# Allegro board reComputer J202_V1.0.brd (continued)
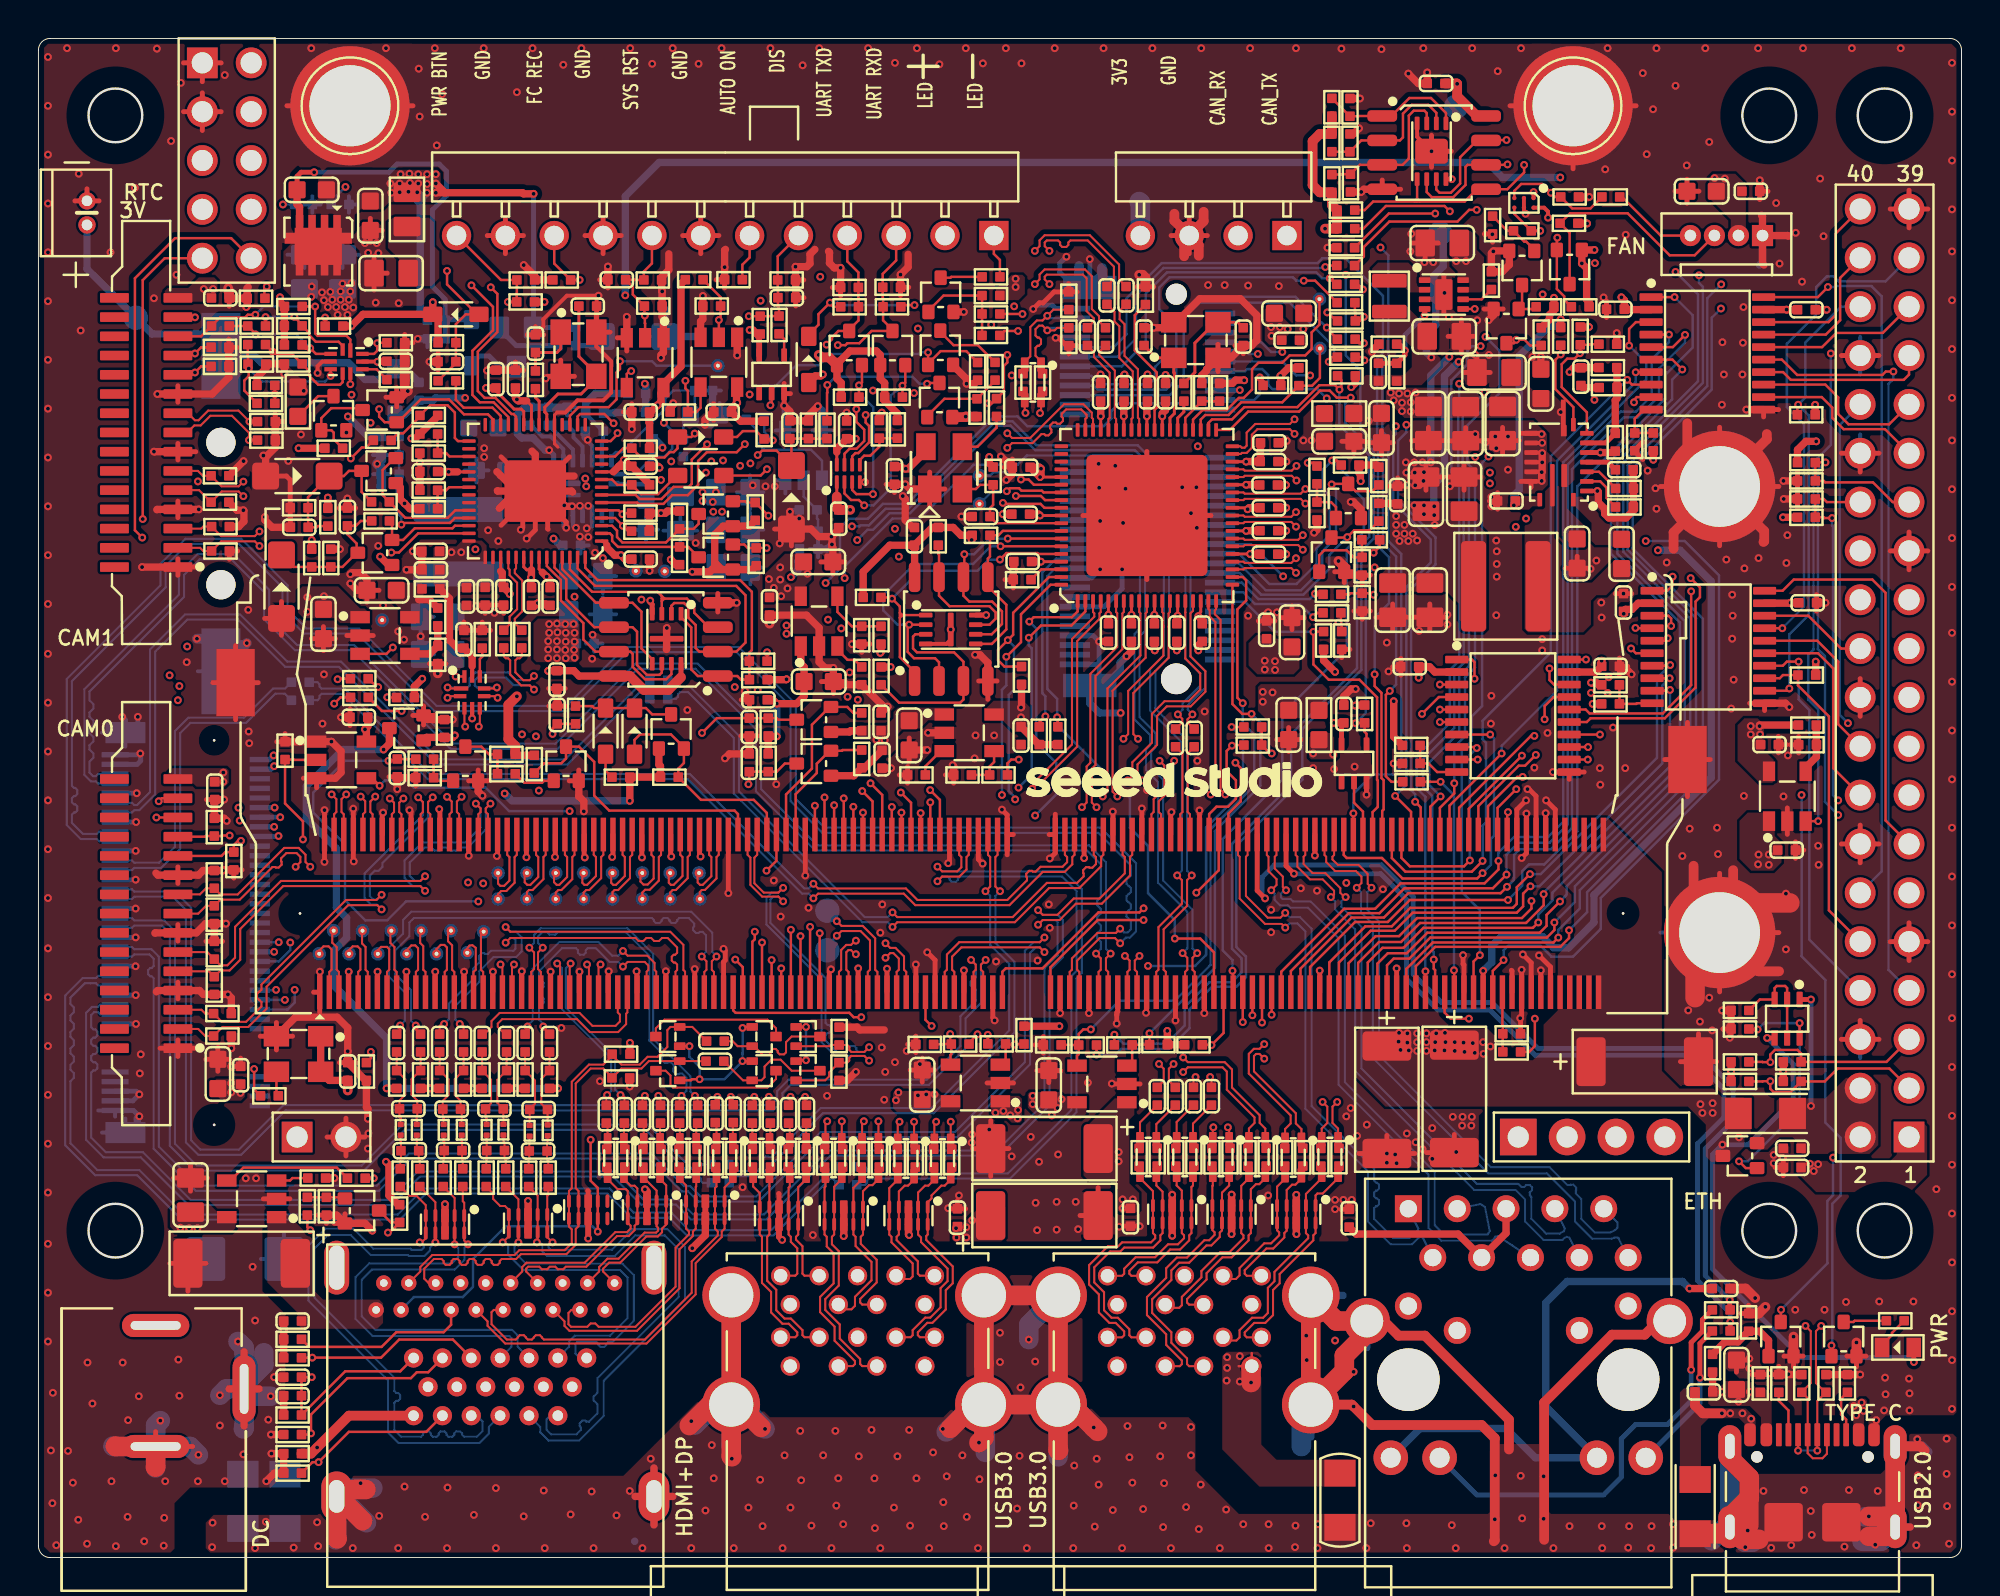
[diagram p0: board, top side]
## Placement (name value [footprint] x y rotation side) (continued)
NOREF  -  []  0 78.31 0 top
NOREF#2  -  []  0.75 0 90 top
NOREF#3  -  []  42.02 29.55 180 bottom
OSC1  32.768KHz  [X4-SMD-3_2X2_5X1_0MM]  13.52 26.19 180 top
Q1  MMST3904-7-F  [SOT-323-3]  90.6 11.36 0 top
Q2  2SK3018  [SOT-323-3]  93.87 11.36 0 top
Q3  MMST3904-7-F  [SOT-323-3]  16.83 18.04 270 top
Q4  CJ2101  [SOT323]  88.48 20.89 90 top
Q5  CJ1012  [SOT_523]  32.73 25.32 270 top
Q6  CJ1012  [SOT_523]  37.73 25.32 90 top
Q7  CJ1012  [SOT_523]  40.02 25.32 90 top
Q8  CJ1012  [SOT_523]  32.73 27.09 270 top
Q9  CJ1012  [SOT_523]  37.73 27.09 90 top
Q10  CJ1012  [SOT_523]  40.02 27.09 90 top
Q11  BC856S  [SOT363]  90.93 28.02 180 top
Q12  MMST3904-7-F  [SOT-323-3]  27.43 41.28 0 top
Q13  MMST3904-7-F  [SOT-323-3]  22.2 41.28 0 top
Q14  2SK3018  [SOT-323-3]  40.32 41.29 90 top
Q15  2SK3018  [SOT-323-3]  32.9 42.96 0 top
Q16  2SK3018  [SOT-323-3]  19.14 43.13 90 top
Q17  2SK3018  [SOT-323-3]  40.32 43.57 90 top
Q18  2SK3018  [SOT-323-3]  35.22 52.02 90 top
Q19  2SK3018  [SOT-323-3]  67.24 52.15 0 top
Q20  CJ3134KW  [SOT-323-3]  17.5 52.25 90 top
Q21  2SK3018  [SOT-323-3]  35.22 54.27 90 top
Q22  2SK3018  [SOT-323-3]  68.11 54.95 0 top
Q23  CJ3134KW  [SOT-323-3]  17.69 56.51 90 top
Q24  CJ3134KW  [SOT-323-3]  15.34 59.51 0 top
Q25  2SK3018  [SOT-323-3]  17.74 59.68 90 top
Q26  BSS84W-7-F  [SOT-323-3]  46.85 60.2 0 top
Q27  2SK3018  [SOT-323-3]  42.16 62.9 0 top
Q28  2SK3018  [SOT-323-3]  44.41 62.9 0 top
Q29  2SK3018  [SOT-323-3]  46.9 62.91 0 top
Q30  2SK3018  [SOT-323-3]  76.33 64.04 180 top
Q31  2SK3018  [SOT-323-3]  46.91 65.67 0 top
Q32  2SK3018  [SOT-323-3]  77.15 67.06 180 top
Q33  2SK3018  [SOT-323-3]  79.62 67.11 180 top
Q34  RQ3E120ATTB  [DFN08_SON08_0D66_3X3MM]  14.55 67.91 270 top
Q35  MMBT2907A  [SOT23]  24.86 62.95 0 bottom
R1  0R  [R1206]  86.15 2.65 270 top
R2  5.1K  [R0402]  90.5 9.05 90 top
R3  5.1K  [R0402]  94.07 9.05 90 top
R4  10K  [R0402]  87.05 10.11 90 top
R5  1M  [R0402]  13.22 11.35 180 top
R6  499R  [R0402]  87.5 11.78 180 top
R7  10K  [R0402]  88.92 12.23 90 top
R8  2.2K  [R0402]  96.55 12.31 180 top
R9  499R  [R0402]  87.5 12.88 180 top
R10  10K  [R0402]  18.78 17.89 270 top
R11  10K  [R0402]  13.98 18.27 270 top
R12  10K  [R0402]  14.97 18.27 270 top
R13  0R  [R0402]  16.53 19.73 180 top
R14  6.8K  [R0402]  14.47 19.73 0 top
R15  5.1R  [R0402]  18.81 19.75 270 top
R16  5.1R  [R0402]  19.83 19.75 270 top
R17  5.1R  [R0402]  21.05 19.75 270 top
R18  5.1R  [R0402]  22.06 19.75 270 top
R19  5.1R  [R0402]  23.28 19.75 270 top
R20  5.1R  [R0402]  24.3 19.75 270 top
R21  5.1R  [R0402]  25.49 19.75 270 top
R22  5.1R  [R0402]  26.51 19.75 270 top
R23  0R  [R0402]  29.55 20.77 270 top
R24  0R  [R0402]  31.43 20.77 270 top
R25  0R  [R0402]  33.31 20.77 270 top
R26  0R  [R0402]  35.22 20.77 270 top
R27  0R  [R0402]  40.88 20.77 270 top
R28  0R  [R0402]  42.78 20.77 270 top
R29  0R  [R0402]  44.66 20.77 270 top
R30  0R  [R0402]  45.6 20.77 270 top
R31  0R  [R0402]  37.13 20.77 270 top
R32  0R  [R0402]  38.07 20.77 270 top
R33  0R  [R0402]  46.55 20.77 270 top
R34  0R  [R0402]  47.49 20.77 270 top
R35  0R  [R0402]  30.49 20.77 270 top
R36  0R  [R0402]  32.37 20.77 270 top
R37  0R  [R0402]  34.25 20.77 270 top
R38  0R  [R0402]  36.15 20.77 270 top
R39  0R  [R0402]  41.82 20.77 270 top
R40  0R  [R0402]  43.72 20.77 270 top
R41  0R  [R0402]  39.93 20.78 270 top
R42  0R  [R0402]  38.99 20.78 270 top
R43  0R  [R0402]  57.24 20.82 270 top
R44  0R  [R0402]  59.14 20.82 270 top
R45  0R  [R0402]  61.02 20.82 270 top
R46  0R  [R0402]  62.9 20.82 270 top
R47  0R  [R0402]  64.81 20.82 270 top
R48  0R  [R0402]  66.69 20.82 270 top
R49  0R  [R0402]  58.18 20.82 270 top
R50  0R  [R0402]  60.08 20.82 270 top
R51  0R  [R0402]  61.96 20.82 270 top
R52  0R  [R0402]  63.84 20.82 270 top
R53  0R  [R0402]  65.75 20.82 270 top
R54  0R  [R0402]  67.63 20.82 270 top
R55  0R  [R1206]  89.8 23.09 0 top
R56  47K  [R0402]  88.48 24.76 0 top
R57  499R  [R0402]  18.63 24.86 90 top
R58  499R  [R0402]  19.87 24.86 90 top
R59  499R  [R0402]  20.86 24.86 90 top
R60  499R  [R0402]  22.11 24.86 90 top
R61  499R  [R0402]  23.07 24.86 90 top
R62  499R  [R0402]  24.34 24.86 90 top
R63  499R  [R0402]  25.31 24.86 90 top
R64  499R  [R0402]  26.58 24.86 90 top
R65  100K  [R0402]  30.28 24.94 0 top
R66  100K  [R0402]  41.63 25.27 90 top
R67  47K  [R0402]  88.48 25.78 0 top
R68  100K  [R0402]  30.29 26.18 180 top
R69  0R  [R0402]  54.56 26.65 180 top
R70  100K  [R0402]  52.72 26.66 180 top
R71  0R  [R0402]  56.41 26.66 180 top
R72  47K  [R0402]  60.06 26.66 0 top
R73  47K  [R0402]  58.24 26.67 180 top
R74  100K  [R0402]  46.09 26.69 180 top
R75  0R  [R0402]  47.93 26.7 180 top
R76  0R  [R0402]  49.83 26.71 180 top
R77  100K  [R0402]  41.63 27.12 270 top
R78  47K  [R0402]  51.25 27.17 270 top
R79  100K  [R0402]  88.48 27.49 180 top
R80  100K  [R0402]  88.48 28.45 180 top
R81  0R  [R0402]  71.4 40.34 0 top
R82  10K  [R0402]  20.09 40.55 180 top
R83  33K  [R0402]  30.29 40.58 180 top
R84  150K  [R0402]  32.81 40.58 0 top
R85  15K  [R0402]  45.66 40.7 180 top
R86  100K  [R0402]  48.05 40.7 180 top
R87  1K  [R0402]  49.92 40.7 180 top
R88  2.2K  [R0402]  24.33 40.76 180 top
R89  10K  [R0402]  25.78 41.26 270 top
R90  1M  [R0402]  71.38 41.3 0 top
R91  2.2K  [R0402]  37.95 41.33 270 top
R92  10K  [R0402]  20.09 41.52 180 top
R93  10K  [R0402]  42.81 41.53 90 top
R94  2.2K  [R0402]  24.33 41.77 180 top
R95  1M  [R0402]  12.82 41.96 90 top
R96  10K  [R0402]  71.38 42.23 0 top
R97  0R  [R0402]  63.15 42.25 0 top
R98  44.2K  [R0402]  91.99 42.27 180 top
R99  47K  [R0402]  52.04 42.74 90 top
R100  47K  [R0402]  53.01 42.74 90 top
R101  100K  [R0402]  21.11 43.11 90 top
R102  2.2K  [R0402]  37.95 43.19 90 top
R103  0R  [R0402]  63.15 43.19 0 top
R104  100K  [R0402]  91.98 43.29 0 top
R105  10K  [R0402]  42.81 43.46 90 top
R106  10K  [R0402]  68.96 43.87 270 top
R107  1M  [R0402]  81.75 44.39 0 top
R108  47K  [R0402]  19.08 44.72 180 top
R109  0R  [R0402]  16.69 44.73 180 top
R110  10K  [R0402]  81.75 45.38 0 top
R111  10K  [R0402]  37.43 45.65 180 top
R112  0R  [R0402]  16.68 45.7 180 top
R113  10K  [R0402]  43.82 45.85 270 top
R114  15K  [R0402]  42.81 45.85 270 top
R115  47K  [R0402]  51.12 45.87 90 top
R116  100K  [R0402]  91.96 45.89 180 top
R117  1K  [R0402]  37.43 46.61 0 top
R118  20K  [R0402]  20.76 46.95 270 top
R119  0R  [R0402]  23.08 47.76 90 top
R120  27R  [R0402]  24.19 47.77 90 top
R121  27R  [R0402]  25.13 47.77 90 top
R122  100K  [R0402]  42.81 47.97 270 top
R123  1K  [R0402]  43.81 47.97 90 top
R124  47K  [R0402]  66.83 47.69 90 top
R125  100K  [R0402]  20.76 48.91 270 top
R126  0R  [R0402]  67.26 49.13 180 top
R127  10K  [R0402]  43.35 49.93 0 top
R128  0R  [R0402]  67.26 50.09 180 top
R129  10K  [R0402]  51.15 50.85 180 top
R130  100K  [R0402]  14.21 51.98 270 top
R131  22K  [R0402]  15.2 51.98 90 top
R132  47K  [R0402]  37.32 52.04 90 top
R133  10K  [R0402]  33.34 52.1 90 top
R134  10K  [R0402]  46.79 53.11 270 top
R135  10K  [R0402]  49.02 53.16 0 top
R136  10K  [R0402]  31.3 53.37 180 top
R137  0R  [R0402]  17.79 53.91 180 top
R138  10K  [R0402]  33.34 53.96 270 top
R139  47K  [R0402]  91.93 54.1 0 top
R140  100K  [R0402]  15.05 54.11 270 top
R141  47K  [R0402]  37.27 54.4 90 top
R142  47K  [R0402]  69.7 54.36 270 top
R143  10K  [R0402]  20.3 54.54 180 top
R144  47K  [R0402]  13.55 54.59 180 top
R145  8.2K  [R0402]  82.47 54.63 0 top
R146  10K  [R0402]  31.3 54.31 180 top
R147  0R  [R0402]  17.79 54.9 180 top
R148  10K  [R0402]  20.3 55.5 180 top
R149  62K  [R0402]  82.48 55.6 0 top
R150  10K  [R0402]  31.32 55.78 180 top
R151  10K  [R0402]  49.64 56.25 270 top
R152  47K  [R0402]  69.7 56.24 270 top
R153  47K  [R0402]  68.2 56.81 180 top
R154  47K  [R0402]  91.93 56.94 0 top
R155  10K  [R0402]  20.3 57.44 180 top
R156  10K  [R0402]  31.32 57.69 180 top
R157  22K  [R0402]  81.99 58 270 top
R158  1M  [R0402]  83.01 58.02 90 top
R159  10K  [R0402]  83.97 58.02 90 top
R160  0R  [R0402]  17.88 58.1 180 top
R161  100K  [R0402]  15.36 57.69 0 top
R162  10K  [R0402]  20.3 58.43 180 top
R163  100K  [R0402]  37.73 58.63 270 top
R164  5.1K  [R0402]  40.04 58.65 90 top
R165  19.6K  [R0402]  41.01 58.65 270 top
R166  100K  [R0402]  43.73 58.67 90 top
R167  0R  [R0402]  44.66 58.67 270 top
R168  10K  [R0402]  20.3 59.39 180 top
R169  100K  [R0402]  91.93 59.43 180 top
R170  100K  [R0402]  33.31 59.57 180 top
R171  100K  [R0402]  48.8 59.8 270 top
R172  0R  [R0402]  49.82 59.81 270 top
R173  0R  [R0402]  11.83 60.02 0 top
R174  2.2R  [R0603]  13.49 60.11 270 top
R175  10K  [R0402]  42.21 60.35 0 top
R176  10K  [R0402]  44.47 60.35 0 top
R177  0R  [R0402]  59.56 60.6 90 top
R178  100K  [R0402]  60.49 60.6 270 top
R179  10K  [R0402]  61.42 60.6 270 top
R180  1K  [R0402]  81.62 60.84 180 top
R181  47K  [R0402]  11.83 60.95 0 top
R182  47K  [R0402]  64.14 60.95 180 top
R183  0R  [R0402]  51.2 61.1 270 top
R184  0R  [R0402]  52.21 61.1 270 top
R185  0R  [R0402]  25.84 61.24 270 top
R186  0R  [R0402]  18.58 61.26 0 top
R187  47K  [R0402]  65.54 61.4 270 top
R188  47K  [R0402]  68.01 61.45 180 top
R189  1M  [R0402]  48.83 61.69 270 top
R190  100K  [R0402]  49.74 61.69 90 top
R191  100K  [R0402]  81.61 61.88 180 top
R192  2.2K  [R0402]  11.36 62.06 180 top
R193  47K  [R0402]  13.25 62.07 0 top
R194  75K  [R0402]  70.63 61.65 90 top
R195  0R  [R0402]  68 62.43 0 top
R196  2.2K  [R0402]  13.25 63.06 0 top
R197  0R  [R0402]  11.35 63.08 0 top
R198  1M  [R0402]  81.61 63.1 0 top
R199  100K  [R0402]  70.17 63.1 180 top
R200  10K  [R0402]  18.58 63.18 0 top
R201  10K  [R0402]  21.24 63.18 0 top
R202  0R  [R0402]  68 63.36 0 top
R203  10K  [R0402]  78.14 63.49 270 top
R204  10K  [R0402]  79.16 63.51 270 top
R205  10K  [R0402]  80.17 63.53 270 top
R206  0R  [R0402]  49.53 63.55 180 top
R207  10K  [R0402]  15.37 64.04 180 top
R208  0R  [R0402]  9.46 64.05 180 top
R209  0R  [R0402]  11.35 64.05 0 top
R210  47K  [R0402]  13.25 64.05 0 top
R211  100K  [R0402]  37.53 64.09 90 top
R212  100R  [R0402]  38.51 64.1 270 top
R213  0R  [R0402]  68.01 64.31 0 top
R214  0R  [R0402]  49.53 64.67 180 top
R215  10K  [R0402]  42.18 65.04 0 top
R216  10K  [R0402]  44.38 65.04 180 top
R217  10K  [R0402]  78.34 65.04 180 top
R218  10K  [R0402]  80.17 65.04 180 top
R219  0R  [R0402]  75.55 66.4 90 top
R220  47K  [R0402]  13.25 65.06 0 top
R221  100K  [R0402]  31.97 65.08 0 top
R222  100K  [R0402]  35.01 65.08 180 top
R223  0R  [R0402]  67.99 65.26 0 top
R224  10K  [R0402]  25.33 65.3 180 top
R225  12.4K  [R0402]  57.56 65.63 90 top
R226  10K  [R0402]  49.53 65.63 180 top
R227  0R  [R0402]  67.98 66.21 0 top
R228  10K  [R0402]  34.1 66.46 0 top
R229  10K  [R0402]  36.14 66.46 180 top
R230  499R  [R0402]  49.53 66.6 180 top
R231  0R  [R0402]  67.98 67.19 0 top
R232  10K  [R0402]  67.98 68.12 180 top
R233  100K  [R0402]  75.62 69.3 270 top
R234  47K  [R0402]  67.99 69.11 0 top
R235  10K  [R0402]  79.59 69.39 180 top
R236  47K  [R0402]  67.99 70.07 0 top
R237  1R  [R0805]  19.16 70.11 270 top
R238  4.7K  [R0402]  79.62 70.76 0 top
R239  10K  [R0402]  67.26 71.46 90 top
R240  10K  [R0402]  68.22 71.48 270 top
R241  10K  [R0402]  67.26 73.57 270 top
R242  10K  [R0402]  68.2 73.57 90 top
R243  10K  [R0402]  68.2 75.42 90 top
R244  10K  [R0402]  67.26 75.42 90 top
R245  0R  [R1206]  10.63 2.92 270 bottom
R246  61.9K  [R0402]  40.54 52.91 270 bottom
R247  147K  [R0402]  39.57 52.92 90 bottom
R248  10K  [R0402]  31.97 57.71 270 bottom
R249  10K  [R0402]  33.54 57.72 90 bottom
R250  13.3K  [R0402]  28.9 58.57 180 bottom
R251  8.2K  [R0402]  25.56 59.36 90 bottom
R252  62K  [R0402]  26.52 59.36 90 bottom
R253  1K  [R0402]  28.92 59.52 0 bottom
R254  0R  [R0402]  19.79 60.65 90 bottom
R255  100K  [R0402]  31.11 60.54 0 bottom
R256  1M  [R0402]  34.59 60.69 0 bottom
R257  10K  [R0402]  27.47 63.02 180 bottom
R258  47K  [R0402]  20.69 63.38 180 bottom
R259  2.2K  [R0402]  27.47 63.99 0 bottom
R260  100K  [R0402]  20.69 64.35 0 bottom
R261  1M  [R0402]  17.05 25.28 270 top
R262  100K  [R0402]  18.29 58.3 0 bottom
R263  100K  [R0402]  18.29 57.33 180 bottom
R264  1K  [R0402]  66.48 56.3 270 top
R265  100K  [R0402]  66.48 54.42 270 top
R266  1K  [R0402]  69.28 52.93 180 top
R267  100K  [R0402]  68.83 51.55 270 top
R268  0R  [R0402]  12.01 24.01 180 top
R269  0R  [R0402]  37.27 59.19 0 bottom
R270  100R  [R0402]  81.76 70.76 0 top
R271  1K  [R0402]  77.16 69 180 top
TP1  Test Point  [TP28C8D]  14.6 31.4 180 top
TP2  Test Point  [TP28C8D]  16.15 31.4 180 top
TP3  Test Point  [TP28C8D]  17.65 31.4 0 top
TP4  Test Point  [TP28C8D]  19.15 31.4 0 top
TP5  Test Point  [TP28C8D]  20.7 31.4 0 top
TP6  Test Point  [TP28C8D]  22.3 31.45 0 top
TP7  Test Point  [TP28C8D]  23.15 32.55 0 top
TP8  Test Point  [TP28C8D]  15.35 32.6 0 top
TP9  Test Point  [TP28C8D]  16.85 32.6 180 top
TP10  Test Point  [TP28C8D]  18.35 32.6 0 top
TP11  Test Point  [TP28C8D]  19.9 32.6 0 top
TP12  Test Point  [TP28C8D]  21.45 32.6 0 top
TP13  Test Point  [TP28C8D]  23.9 34.25 0 top
TP14  Test Point  [TP28C8D]  25.4 34.25 180 top
TP15  Test Point  [TP28C8D]  26.9 34.25 0 top
TP16  Test Point  [TP28C8D]  28.35 34.25 0 top
TP17  Test Point  [TP28C8D]  29.85 34.25 0 top
TP18  Test Point  [TP28C8D]  31.4 34.25 0 top
TP19  Test Point  [TP28C8D]  32.85 34.25 0 top
TP20  Test Point  [TP28C8D]  34.4 34.25 0 top
TP21  Test Point  [TP28C8D]  23.9 35.6 0 top
TP22  Test Point  [TP28C8D]  25.4 35.6 180 top
TP23  Test Point  [TP28C8D]  26.9 35.6 0 top
TP24  Test Point  [TP28C8D]  28.35 35.6 0 top
TP25  Test Point  [TP28C8D]  29.85 35.6 0 top
TP26  Test Point  [TP28C8D]  31.4 35.6 0 top
TP27  Test Point  [TP28C8D]  32.85 35.6 0 top
TP28  Test Point  [TP28C8D]  34.35 35.6 0 top
TP29  Test Point  [TP28C8D]  17.87 48.75 0 top
TP30  Test Point  [TP60C_SMD]  73.72 75.46 180 bottom
TP31  Test Point  [TP28C8D]  32.57 51.29 0 top
TP32  Test Point  [TP28C8D]  31.07 51.31 0 top
TP33  Test Point  [TP28C8D]  48.93 54.79 90 top
TP34  Test Point  [TP28C8D]  48.93 56.26 90 top
TP37  Test Point  [TP28C8D]  35.33 61.98 0 top
TP38  Test Point  [TP28C8D]  66.63 62.88 0 top
TP39  Test Point  [TP28C8D]  66.61 65.44 180 top
TP40  Test Point  [TP60C_SMD]  5.07 64.47 180 bottom
TP41  Test Point  [TP60C_SMD]  41.02 33.64 270 bottom
TP42  Test Point  [TP60C_SMD]  72.88 68.88 180 bottom
TP43  Test Point  [TP60C_SMD]  41.02 31.58 270 bottom
U1  TPD4E02B04DQAR  [USON10_0D5_2D5X1X0D5MM]  21.14 17.33 180 top
U2  TPD4E02B04DQAR  [USON10_0D5_2D5X1X0D5MM]  25.46 17.38 180 top
U3  TPD4E02B04DQAR  [USON10_0D5_2D5X1X0D5MM]  38.51 17.78 180 top
U4  TPD4E02B04DQAR  [USON10_0D5_2D5X1X0D5MM]  41.88 17.78 180 top
U5  TPD4E02B04DQAR  [USON10_0D5_2D5X1X0D5MM]  45.24 17.78 180 top
U6  TPD4E02B04DQAR  [USON10_0D5_2D5X1X0D5MM]  58.95 17.85 180 top
U7  TPD4E02B04DQAR  [USON10_0D5_2D5X1X0D5MM]  62.04 17.85 180 top
U8  TPD4E02B04DQAR  [USON10_0D5_2D5X1X0D5MM]  65.41 17.85 180 top
U9  TPD4E02B04DQAR  [USON10_0D5_2D5X1X0D5MM]  28.59 18.08 180 top
U10  TPD4E02B04DQAR  [USON10_0D5_2D5X1X0D5MM]  31.64 18.08 180 top
U11  TPD4E02B04DQAR  [USON10_0D5_2D5X1X0D5MM]  34.68 18.08 180 top
U12  SY6280AAC  [SOT23-5]  11.09 18.66 90 top
U13  SGM2588CYN5G/TR  [SOT23-5]  55.3 24.63 90 top
U14  SGM2588CYN5G/TR  [SOT23-5]  48.72 24.68 90 top
U15  LC1458CB5TR18  [SOT23-5]  90.94 39.59 0 top
U16  74LVC1G07GW  [SOT353]  68.41 41.3 0 top
U17  SN74LV1T125DBVR  [SOT23-5]  15.76 41.48 270 top
U18  SY6280AAC  [SOT23-5]  48.4 42.89 270 top
U19  TXB0108PWR  [TSSOP20-0_65-6_5X4_4X1MM]  76.67 43.77 270 top
U20  SGM7222YWQ10/TR  [WQFN10_0D4_1_8X1_4X0_75MM]  22.55 44.99 270 top
U21  TXB0108PWR  [TSSOP20-0_65-6_5X4_4X1MM]  86.83 47.35 270 top
U22  GD25Q40ETIGR  [SOIC8_1D27_4_9X3_9MM]  32.63 47.75 90 top
U23  GD25Q40EEIGR  [USON8_0D5_3X2X0_6MM]  32.66 47.78 180 top
U24  LC1458CB5TR33  [SOT23-5]  18.02 47.95 270 top
U25  GD25Q40EEIGR  [USON8_0D5_3X2X0_6MM]  47.44 48.26 270 top
U26  GD25Q40ETIGR(VL822-Q7_Firmware)  [SOIC8_1D27_4_9X3_9MM]  47.46 48.29 0 top
U27  SY6280AAC  [SOT23-5]  40.59 48.7 0 top
U28  VL822-Q7  [QFN76L_0D4_9X9X0_9MM]  57.64 54.19 90 top
U29  RP2040  [QFN56_0D4_7X7X0_9MM]  25.84 55.46 180 top
U30  TXB0302DQMR  [X2SON8_0D4_1_8X1_2X0_4MM]  42.11 56.38 0 top
U31  UM805RE  [SOT_143]  47.1 56.67 0 top
U32  SQ29020VDC  [QFN19_0D5_3X4X0_65MM]  79.07 56.97 180 top
U33  74LVC1G07GW  [SOT353]  38.13 61.53 0 top
U34  SN74LV1T125DBVR  [SOT23-5]  31.55 62.14 180 top
U35  SN74LV1T125DBVR  [SOT23-5]  35.38 62.16 180 top
U36  SGM7222YWQ10/TR  [WQFN10_0D4_1_8X1_4X0_75MM]  16.02 62.2 180 top
U37  TXB0108PWR  [TSSOP20-0_65-6_5X4_4X1MM]  86.78 62.62 270 top
U38  ETA3410D2I-T  [DFN8G_0D5_2X2MM_3410]  73.08 65.68 0 top
U39  SN74LVC1T45YZPR  [BGA6C50P2X3_89X139X50]  77.25 70.45 270 top
U40  AT24C02C-SSHM-T  [SOIC8_1D27_4_9X3_9MM]  72.58 73.06 270 top
U41  CAT24C02VP2IGT3A  [UDFN8_0D5_2X3X0_6MM]  72.44 73.13 180 top
U42  SQ29020VDC  [QFN19_0D5_3X4X0_65MM]  28.29 55.59 270 bottom
U43  NCP301LSN20T1G  [SOT23-5]  39.79 57.32 180 bottom
X1  12MHz CL=10pF  [X4-SMD-3_2X2_5X1_0MM]  28.08 62.58 270 top
X2  25MHz CL=12pF  [X4-SMD-3_2X2_5X1_0MM]  60.19 63.31 0 top

## Library data of the parts
C1-C7 C9-C11 C13-C18 C20-C36 C39-C47 C49-C200 = CC
C8 C12 C19 C37 C38 C48 = CT
D1-D19 D22 D24-D28 D30 D31 D35-D37 D39 D40 D42-D50 D54 D55 = DIODE TVS BI-DIR
D20 D21 D32 D34 D38 D41 D51 D52 = D_Schottky
D23 D29 D33 D53 = DIODE TVS
FB1-FB5 = FB
J1 = USB2.0_Type C_16+6P#1
J2 = Power Jack: Tolerance: X; User Part Number: X
J3 J4 = USB3.0_Dual Type A_18+4P
J5 = DP_HDMI_CONN
J6 = RJ45_POE_LPJG0926HENL
J7 J14 = Header 1x2
J8 J13 J16 = Header 1x4
J9 J12 = FPC2x15 For DSI
J10 = Header 2X20 Of RPI
J11 = CON_SODIMM260_JETSON_NANO
J15 = Header 1x12
J17 = Header 2x5
J18 = PCIe_M.2_Key M_75Pin
J19 = BAT Holder 2P
J20 = PCIe_M.2_Key E_75Pin
L1-L16 L27 = CL
L17-L26 L28 L29 = L
LED1 = Single LED
MH1-MH4 = MHole
OSC1 = OSC_4P
Q1 Q3 Q12 Q13 = NPN
Q2 Q5-Q10 Q14-Q25 Q27-Q33 = NMOS_123
Q4 Q26 = PMOS_123
Q11 = PNP_6P
Q34 = PMOS_5P
Q35 = PNP
R1-R271 = R
TP1-TP34 TP37-TP43 = Test Point
U1-U11 = TPD4E05U06DQAR
U12 U18 U27 = SY6280
U13 U14 = TPS2051BDBV
U15 U24 = LDO_5P_FB_EN
U16 U17 U33-U35 = SN74LVC1G07DCK
U19 U21 U37 = TXS0108EPWR
U20 U36 = SGM7222
U22 U26 = QSPI_8P
U23 U25 = QSPI_9P
U28 = VL822-Q7
U29 = RP2040
U30 = TXB0302
U31 = UM805_4P
U32 U42 = SQ29020
U38 = ETA3410
U39 = SN74LVC1T45YZPR
U40 = CAT24C256
U41 = EEPROM_8+1P
U43 = NCP301LSN20T1
X1 X2 = XTAL_4P

## Footprints (pads in the part's own frame, mm; a bottom-side part is the same pattern mirrored in y, then rotated)
AVX_C
  rrect 1.524x2.54 smd: 1(-2.794,0) 2(2.794,0)
BAT-CR1220
  round 1.524 hole 1.524 unplated: (0,-3.7) (0,3.7)
  rect 2.032x4.47 smd: 1(0,8.2) 2(0,-8.2)
BGA6C50P2X3_89X139X50
  round 0.226 smd: A1(-0.25,0.5) A2(0.25,0.5) B1(-0.25,0) B2(0.25,0) C1(-0.25,-0.5) C2(0.25,-0.5)
C0402
  rrect 0.5x0.5 smd: 1(-0.463,0) 2(0.463,0)
C0603
  rrect 0.889x0.889 smd: 1(-0.762,0) 2(0.762,0)
C0805
  rrect 1.016x1.397 smd: 1(-0.889,0) 2(0.889,0)
C1206
  rect 1.397x1.626 smd: 1(-1.41,0) 2(1.41,0)
CON_MINIPEX_067_SMT_RA_M2_KEYE_C
  round 1.1 hole 1.1 unplated: (-10,-1.636)
  round 1.6 hole 1.6 unplated: (10,-1.636)
  rect 0.305x1.575 smd: 1(-9.25,3.639) 2(-9,-3.911) 3(-8.75,3.639) 4(-8.5,-3.911) 5(-8.25,3.639) 6(-8,-3.911) 7(-7.75,3.639) 8(-7.5,-3.911) 9(-7.25,3.639) 10(-7,-3.911) 11(-6.75,3.639) 12(-6.5,-3.911) 13(-6.25,3.639) 14(-6,-3.911) 15(-5.75,3.639) 16(-5.5,-3.911) 17(-5.25,3.639) 18(-5,-3.911) 19(-4.75,3.639) 20(-4.5,-3.911) 21(-4.25,3.639) 22(-4,-3.911) 23(-3.75,3.639) 32(-1.5,-3.911) 33(-1.25,3.639) 34(-1,-3.911) 35(-0.75,3.639) 36(-0.5,-3.911) 37(-0.25,3.639) 38(0,-3.911) 39(0.25,3.639) 40(0.5,-3.911) 41(0.75,3.639) 42(1,-3.911) 43(1.25,3.639) 44(1.5,-3.911) 45(1.75,3.639) 46(2,-3.911) 47(2.25,3.639) 48(2.5,-3.911) 49(2.75,3.639) 50(3,-3.911) 51(3.25,3.639) 52(3.5,-3.911) 53(3.75,3.639) 54(4,-3.911) 55(4.25,3.639) 56(4.5,-3.911) 57(4.75,3.639) 58(5,-3.911) 59(5.25,3.639) 60(5.5,-3.911) 61(5.75,3.639) 62(6,-3.911) 63(6.25,3.639) 64(6.5,-3.911) 65(6.75,3.639) 66(7,-3.911) 67(7.25,3.639) 68(7.5,-3.911) 69(7.75,3.639) 70(8,-3.911) 71(8.25,3.639) 72(8.5,-3.911) 73(8.75,3.639) 74(9,-3.911) 75(9.25,3.639)
  rect 1.219x2.769 smd: 76(-10.35,2.864) 77(10.35,2.864)
CON_MINIPEX_075_SMT_RA_M2_KEYM
  round 0.13 hole 1.1 unplated: (-10,-1.335)
  round 0.13 hole 1.6 unplated: (10,-1.335)
  rect 0.28x1.4 smd: 1(-9.25,3.815) 3(-8.75,3.815) 5(-8.25,3.815) 7(-7.75,3.815) 9(-7.25,3.815) 11(-6.75,3.815) 13(-6.25,3.815) 15(-5.75,3.815) 17(-5.25,3.815) 19(-4.75,3.815) 21(-4.25,3.815) 23(-3.75,3.815) 25(-3.25,3.815) 27(-2.75,3.815) 29(-2.25,3.815) 31(-1.75,3.815) 33(-1.25,3.815) 35(-0.75,3.815) 37(-0.25,3.815) 39(0.25,3.815) 41(0.75,3.815) 43(1.25,3.815) 45(1.75,3.815) 47(2.25,3.815) 49(2.75,3.815) 51(3.25,3.815) 53(3.75,3.815) 55(4.25,3.815) 57(4.75,3.815) 67(7.25,3.815) 69(7.75,3.815) 71(8.25,3.815) 73(8.75,3.815) 75(9.25,3.815)
  rect 0.28x1.05 smd: 2(-9,-3.71) 4(-8.5,-3.71) 6(-8,-3.71) 8(-7.5,-3.71) 10(-7,-3.71) 12(-6.5,-3.71) 14(-6,-3.71) 16(-5.5,-3.71) 18(-5,-3.71) 20(-4.5,-3.71) 22(-4,-3.71) 24(-3.5,-3.71) 26(-3,-3.71) 28(-2.5,-3.71) 30(-2,-3.71) 32(-1.5,-3.71) 34(-1,-3.71) 36(-0.5,-3.71) 38(0,-3.71) 40(0.5,-3.71) 42(1,-3.71) 44(1.5,-3.71) 46(2,-3.71) 48(2.5,-3.71) 50(3,-3.71) 52(3.5,-3.71) 54(4,-3.71) 56(4.5,-3.71) 58(5,-3.71) 68(7.5,-3.71) 70(8,-3.71) 72(8.5,-3.71) 74(9,-3.71)
  rect 1.1x2.08 smd: 76(-10.4,3.28) 77(10.4,3.28)
CON_SODIMM_260_SMT_0D5_SD_80888_600_C
  round 0.13 hole 1.1 unplated: (-34.4,0.1)
  round 0.13 hole 1.6 unplated: (34.4,0.1)
  rect 0.28x1.75 smd: 1(33.375,4.2) 2(33.125,-4) 3(32.875,4.2) 4(32.625,-4) 5(32.375,4.2) 6(32.125,-4) 7(31.875,4.2) 8(31.625,-4) 9(31.375,4.2) 10(31.125,-4) 11(30.875,4.2) 12(30.625,-4) 13(30.375,4.2) 14(30.125,-4) 15(29.875,4.2) 16(29.625,-4) 17(29.375,4.2) 18(29.125,-4) 19(28.875,4.2) 20(28.625,-4) 21(28.375,4.2) 22(28.125,-4) 23(27.875,4.2) 24(27.625,-4) 25(27.375,4.2) 26(27.125,-4) 27(26.875,4.2) 28(26.625,-4) 29(26.375,4.2) 30(26.125,-4) 31(25.875,4.2) 32(25.625,-4) 33(25.375,4.2) 34(25.125,-4) 35(24.875,4.2) 36(24.625,-4) 37(24.375,4.2) 38(24.125,-4) 39(23.875,4.2) 40(23.625,-4) 41(23.375,4.2) 42(23.125,-4) 43(22.875,4.2) 44(22.625,-4) 45(22.375,4.2) 46(22.125,-4) 47(21.875,4.2) 48(21.625,-4) 49(21.375,4.2) 50(21.125,-4) 51(20.875,4.2) 52(20.625,-4) 53(20.375,4.2) 54(20.125,-4) 55(19.875,4.2) 56(19.625,-4) 57(19.375,4.2) 58(19.125,-4) 59(18.875,4.2) 60(18.625,-4) 61(18.375,4.2) 62(18.125,-4) 63(17.875,4.2) 64(17.625,-4) 65(17.375,4.2) 66(17.125,-4) 67(16.875,4.2) 68(16.625,-4) 69(16.375,4.2) 70(16.125,-4) 71(15.875,4.2) 72(15.625,-4) 73(15.375,4.2) 74(15.125,-4) 75(14.875,4.2) 76(14.625,-4) 77(14.375,4.2) 78(14.125,-4) 79(13.875,4.2) 80(13.625,-4) 81(13.375,4.2) 82(13.125,-4) 83(12.875,4.2) 84(12.625,-4) 85(12.375,4.2) 86(12.125,-4) 87(11.875,4.2) 88(11.625,-4) 89(11.375,4.2) 90(11.125,-4) 91(10.875,4.2) 92(10.625,-4) 93(10.375,4.2) 94(10.125,-4) 95(9.875,4.2) 96(9.625,-4) 97(9.375,4.2) 98(9.125,-4) 99(8.875,4.2) 100(8.625,-4) 101(8.375,4.2) 102(8.125,-4) 103(7.875,4.2) 104(7.625,-4) 105(7.375,4.2) 106(7.125,-4) 107(6.875,4.2) 108(6.625,-4) 109(6.375,4.2) 110(6.125,-4) 111(5.875,4.2) 112(5.625,-4) 113(5.375,4.2) 114(5.125,-4) 115(4.875,4.2) 116(4.625,-4) 117(4.375,4.2) 118(4.125,-4) 119(3.875,4.2) 120(3.625,-4) 121(3.375,4.2) 122(3.125,-4) 123(2.875,4.2) 124(2.625,-4) 125(2.375,4.2) 126(2.125,-4) 127(1.875,4.2) 128(1.625,-4) 129(1.375,4.2) 130(1.125,-4) 131(0.875,4.2) 132(0.625,-4) 133(0.375,4.2) 134(0.125,-4) 135(-0.125,4.2) 136(-0.375,-4) 137(-0.625,4.2) 138(-0.875,-4) 139(-1.125,4.2) 140(-1.375,-4) 141(-1.625,4.2) 142(-1.875,-4) 143(-2.125,4.2) 144(-2.375,-4) 145(-4.625,4.2) 146(-4.875,-4) 147(-5.125,4.2) 148(-5.375,-4) 149(-5.625,4.2) 150(-5.875,-4) 151(-6.125,4.2) 152(-6.375,-4) 153(-6.625,4.2) 154(-6.875,-4) 155(-7.125,4.2) 156(-7.375,-4) 157(-7.625,4.2) 158(-7.875,-4) 159(-8.125,4.2) 160(-8.375,-4) 161(-8.625,4.2) 162(-8.875,-4) 163(-9.125,4.2) 164(-9.375,-4) 165(-9.625,4.2) 166(-9.875,-4) 167(-10.125,4.2) 168(-10.375,-4) 169(-10.625,4.2) 170(-10.875,-4) 171(-11.125,4.2) 172(-11.375,-4) 173(-11.625,4.2) 174(-11.875,-4) 175(-12.125,4.2) 176(-12.375,-4) 177(-12.625,4.2) 178(-12.875,-4) 179(-13.125,4.2) 180(-13.375,-4) 181(-13.625,4.2) 182(-13.875,-4) 183(-14.125,4.2) 184(-14.375,-4) 185(-14.625,4.2) 186(-14.875,-4) 187(-15.125,4.2) 188(-15.375,-4) 189(-15.625,4.2) 190(-15.875,-4) 191(-16.125,4.2) 192(-16.375,-4) 193(-16.625,4.2) 194(-16.875,-4) 195(-17.125,4.2) 196(-17.375,-4) 197(-17.625,4.2) 198(-17.875,-4) 199(-18.125,4.2) 200(-18.375,-4) 201(-18.625,4.2) 202(-18.875,-4) 203(-19.125,4.2) 204(-19.375,-4) 205(-19.625,4.2) 206(-19.875,-4) 207(-20.125,4.2) 208(-20.375,-4) 209(-20.625,4.2) 210(-20.875,-4) 211(-21.125,4.2) 212(-21.375,-4) 213(-21.625,4.2) 214(-21.875,-4) 215(-22.125,4.2) 216(-22.375,-4) 217(-22.625,4.2) 218(-22.875,-4) 219(-23.125,4.2) 220(-23.375,-4) 221(-23.625,4.2) 222(-23.875,-4) 223(-24.125,4.2) 224(-24.375,-4) 225(-24.625,4.2) 226(-24.875,-4) 227(-25.125,4.2) 228(-25.375,-4) 229(-25.625,4.2) 230(-25.875,-4) 231(-26.125,4.2) 232(-26.375,-4) 233(-26.625,4.2) 234(-26.875,-4) 235(-27.125,4.2) 236(-27.375,-4) 237(-27.625,4.2) 238(-27.875,-4) 239(-28.125,4.2) 240(-28.375,-4) 241(-28.625,4.2) 242(-28.875,-4) 243(-29.125,4.2) 244(-29.375,-4) 245(-29.625,4.2) 246(-29.875,-4) 247(-30.125,4.2) 248(-30.375,-4) 249(-30.625,4.2) 250(-30.875,-4) 251(-31.125,4.2) 252(-31.375,-4) 253(-31.625,4.2) 254(-31.875,-4) 255(-32.125,4.2) 256(-32.375,-4) 257(-32.625,4.2) 258(-32.875,-4) 259(-33.125,4.2) 260(-33.375,-4)
  rect 2x3.5 smd: 261(-37.75,-7.9) 262(37.75,-11.9)
CONN3-PWR-DC630
  oval 1.2x3.5 hole 0.45x2.6: 1(0,0.1) 2(6.294,0.1)
  oval 3.5x1.2 hole 2.6x0.45: 3(3.297,4.699)
D0402
  rrect 0.5x0.5 smd: 1(-0.463,0) 2(0.463,0)
DFN08_SON08_0D66_3X3MM
  rect 1.1x0.39 smd: 1(-1.354,0.975) 2(-1.354,0.325) 3(-1.354,-0.325) 4(-1.354,-0.975)
  custom 2.479x3.5 smd: 5(0,0)
DFN8G_0D5_2X2MM_3410
  rrect 0.6x0.3 smd: 1(-1,0.75) 2(-1,0.25) 3(-1,-0.25) 4(-1,-0.75) 5(1,-0.75) 6(1,-0.25) 7(1,0.25) 8(1,0.75)
  rrect 0.9x1.6 smd: 9(0,0)
DO_214AA_SMB
  rrect 2.032x2.286 smd: 1(-2.032,0) 2(2.032,0)
HDMI_DP_39P_18D05X18D1X19D3MM
  round 1 hole 0.55: A1(4.75,8.3) A2(4,6.8) A3(3.25,8.3) A4(3.25,5.3) A5(2.5,6.8) A6(1.75,5.3) A7(1.75,8.3) A8(1,6.8) A9(0.25,8.3) A10(0.25,5.3) A11(-0.5,6.8) A12(-1.25,5.3) A13(-1.25,8.3) A14(-2,6.8) A15(-2.75,8.3) A16(-2.75,5.3) A17(-3.5,6.8) A18(-4.25,5.3) A19(-4.25,8.3)
  round 0.8 hole 0.4: B1(6.2,12.2) B2(5.7,10.8) B3(4.8,12.2) B4(4.4,10.8) B5(3.5,12.2) B6(3,10.8) B7(2.2,12.2) B8(1.7,10.8) B9(0.8,12.2) B10(0.4,10.8) B11(-0.5,12.2) B12(-1,10.8) B13(-1.8,12.2) B14(-2.3,10.8) B15(-3.1,12.2) B16(-3.6,10.8) B17(-4.5,12.2) B18(-4.9,10.8) B19(-5.8,12.2) B20(-6.2,10.8)
  oval 1.3x2.8 hole 0.8x2.3: S1(8.25,13) S2(-8.25,13)
  oval 1.6x2.6 hole 0.8x1.7: S3(8.25,1.1) S4(-8.25,1.1)
HEADER2P_1D25_DIP
  round 0.9 hole 0.55: 1(0.625,0) 2(-0.625,0)
HEADER2P_2D54_DIP
  rect 1.6x1.6 hole 1.1: 1(0,1.27)
  round 1.6 hole 1.1: 2(0,-1.27)
HEADER2X5P_2D54_1_DIP
  rect 1.6x1.6 hole 1.1: 1(-1.27,5.08)
  round 1.6 hole 1.1: 2(1.27,5.08) 3(-1.27,2.54) 4(1.27,2.54) 5(-1.27,0) 6(1.27,0) 7(-1.27,-2.54) 8(1.27,-2.54) 9(-1.27,-5.08) 10(1.27,-5.08)
HEADER2X15P_1D0_SMD_YL002
  rrect 1.5x0.5 smd: 1(-1.65,7) 2(-1.65,6) 3(-1.65,5) 4(-1.65,4) 5(-1.65,3) 6(-1.65,2) 7(-1.65,1) 8(-1.65,0) 9(-1.65,-1) 10(-1.65,-2) 11(-1.65,-3) 12(-1.65,-4) 13(-1.65,-5) 14(-1.65,-6) 15(-1.65,-7) 16(1.65,-7) 17(1.65,-6) 18(1.65,-5) 19(1.65,-4) 20(1.65,-3) 21(1.65,-2) 22(1.65,-1) 23(1.65,0) 24(1.65,1) 25(1.65,2) 26(1.65,3) 27(1.65,4) 28(1.65,5) 29(1.65,6) 30(1.65,7)
HEADER2X20P_2D54_DIP
  rect 1.6x1.6 hole 1.1: 1(-1.27,24.13)
  round 1.6 hole 1.1: 2(1.27,24.13) 3(-1.27,21.59) 4(1.27,21.59) 5(-1.27,19.05) 6(1.27,19.05) 7(-1.27,16.51) 8(1.27,16.51) 9(-1.27,13.97) 10(1.27,13.97) 11(-1.27,11.43) 12(1.27,11.43) 13(-1.27,8.89) 14(1.27,8.89) 15(-1.27,6.35) 16(1.27,6.35) 17(-1.27,3.81) 18(1.27,3.81) 19(-1.27,1.27) 20(1.27,1.27) 21(-1.27,-1.27) 22(1.27,-1.27) 23(-1.27,-3.81) 24(1.27,-3.81) 25(-1.27,-6.35) 26(1.27,-6.35) 27(-1.27,-8.89) 28(1.27,-8.89) 29(-1.27,-11.43) 30(1.27,-11.43) 31(-1.27,-13.97) 32(1.27,-13.97) 33(-1.27,-16.51) 34(1.27,-16.51) 35(-1.27,-19.05) 36(1.27,-19.05) 37(-1.27,-21.59) 38(1.27,-21.59) 39(-1.27,-24.13) 40(1.27,-24.13)
HEADER4P_2D54_DIP
  rect 1.905x1.905 hole 1.1: 1(0,3.81)
  round 1.905 hole 1.1: 2(0,1.27) 3(0,-1.27) 4(0,-3.81)
JST4P_1D25_6_75X3_2X4_7MM
  rect 1.1x1.1 hole 0.6: 1(-1.875,0)
  round 1.1 hole 0.6: 2(-0.625,0) 3(0.625,0) 4(1.875,0)
L2P_3D35_5_55X5_35X3MM
  rrect 1.3x4.7 smd: 1(-1.675,0) 2(1.675,0)
L0201
  rrect 0.279x0.318 smd: 1(-0.279,0) 2(0.279,0)
L0402
  rrect 0.5x0.5 smd: 1(-0.463,0) 2(0.463,0)
L0603
  rrect 0.889x0.889 smd: 1(-0.762,0) 2(0.762,0)
L2012
  rrect 0.75x0.4 smd: 1(-0.925,0.425) 2(0.925,0.425) 3(0.925,-0.425) 4(-0.925,-0.425)
L2016
  rrect 0.7x1.8 smd: 1(-0.8,0) 2(0.8,0)
LED0603
  rect 0.762x1.016 smd: 1(-0.826,0) 2(0.826,0)
PTH_4_2MM_5D8
  round 5.8 hole 4.2: 1(0,0)
PTH_4_22MM_6D2_PASTE
  round 6.2 hole 4.22: 1(0,0)
QFN19_0D5_3X4X0_65MM
  rrect 0.7x0.25 smd: 1(-1.45,1.5) 2(-1.45,1) 3(-1.45,0.5) 4(-1.45,0) 5(-1.45,-0.5) 6(-1.45,-1) 7(-1.45,-1.5) 10(1.45,-1.5) 11(1.45,-1) 12(1.45,-0.5) 13(1.45,0) 14(1.45,0.5) 15(1.45,1)
  rrect 0.25x0.7 smd: 8(-0.75,-1.95) 16(1,1.95) 19(-0.75,1.95)
  custom 0.3x1.9 smd: 9(-0.25,-2.301)
  rrect 0.23x2.2 smd: 17(0.34,1.2)
  rrect 0.3x1.2 smd: 18(-0.275,0.7)
QFN56_0D4_7X7X0_9MM
  rrect 0.7x0.18 smd: 1(-3.45,2.6) 2(-3.45,2.2) 3(-3.45,1.8) 4(-3.45,1.4) 5(-3.45,1) 6(-3.45,0.6) 7(-3.45,0.2) 8(-3.45,-0.2) 9(-3.45,-0.6) 10(-3.45,-1) 11(-3.45,-1.4) 12(-3.45,-1.8) 13(-3.45,-2.2) 14(-3.45,-2.6) 29(3.45,-2.6) 30(3.45,-2.2) 31(3.45,-1.8) 32(3.45,-1.4) 33(3.45,-1) 34(3.45,-0.6) 35(3.45,-0.2) 36(3.45,0.2) 37(3.45,0.6) 38(3.45,1) 39(3.45,1.4) 40(3.45,1.8) 41(3.45,2.2) 42(3.45,2.6)
  rrect 0.18x0.7 smd: 15(-2.6,-3.45) 16(-2.2,-3.45) 17(-1.8,-3.45) 18(-1.4,-3.45) 19(-1,-3.45) 20(-0.6,-3.45) 21(-0.2,-3.45) 22(0.2,-3.45) 23(0.6,-3.45) 24(1,-3.45) 25(1.4,-3.45) 26(1.8,-3.45) 27(2.2,-3.45) 28(2.6,-3.45) 43(2.6,3.45) 44(2.2,3.45) 45(1.8,3.45) 46(1.4,3.45) 47(1,3.45) 48(0.6,3.45) 49(0.2,3.45) 50(-0.2,3.45) 51(-0.6,3.45) 52(-1,3.45) 53(-1.4,3.45) 54(-1.8,3.45) 55(-2.2,3.45) 56(-2.6,3.45)
  rrect 3.2x3.2 smd: 57(0,0)
QFN76L_0D4_9X9X0_9MM
  rrect 0.7x0.2 smd: 1(-4.45,3.6) 2(-4.45,3.2) 3(-4.45,2.8) 4(-4.45,2.4) 5(-4.45,2) 6(-4.45,1.6) 7(-4.45,1.2) 8(-4.45,0.8) 9(-4.45,0.4) 10(-4.45,0) 11(-4.45,-0.4) 12(-4.45,-0.8) 13(-4.45,-1.2) 14(-4.45,-1.6) 15(-4.45,-2) 16(-4.45,-2.4) 17(-4.45,-2.8) 18(-4.45,-3.2) 19(-4.45,-3.6) 39(4.45,-3.6) 40(4.45,-3.2) 41(4.45,-2.8) 42(4.45,-2.4) 43(4.45,-2) 44(4.45,-1.6) 45(4.45,-1.2) 46(4.45,-0.8) 47(4.45,-0.4) 48(4.45,0) 49(4.45,0.4) 50(4.45,0.8) 51(4.45,1.2) 52(4.45,1.6) 53(4.45,2) 54(4.45,2.4) 55(4.45,2.8) 56(4.45,3.2) 57(4.45,3.6)
  rrect 0.2x0.7 smd: 20(-3.6,-4.45) 21(-3.2,-4.45) 22(-2.8,-4.45) 23(-2.4,-4.45) 24(-2,-4.45) 25(-1.6,-4.45) 26(-1.2,-4.45) 27(-0.8,-4.45) 28(-0.4,-4.45) 29(0,-4.45) 30(0.4,-4.45) 31(0.8,-4.45) 32(1.2,-4.45) 33(1.6,-4.45) 34(2,-4.45) 35(2.4,-4.45) 36(2.8,-4.45) 37(3.2,-4.45) 38(3.6,-4.45) 58(3.6,4.45) 59(3.2,4.45) 60(2.8,4.45) 61(2.4,4.45) 62(2,4.45) 63(1.6,4.45) 64(1.2,4.45) 65(0.8,4.45) 66(0.4,4.45) 67(0,4.45) 68(-0.4,4.45) 69(-0.8,4.45) 70(-1.2,4.45) 71(-1.6,4.45) 72(-2,4.45) 73(-2.4,4.45) 74(-2.8,4.45) 75(-3.2,4.45) 76(-3.6,4.45)
  rrect 6.3x6.3 smd: 77(0,0)
